# KiCad board Marble.kicad_pcb (continued)
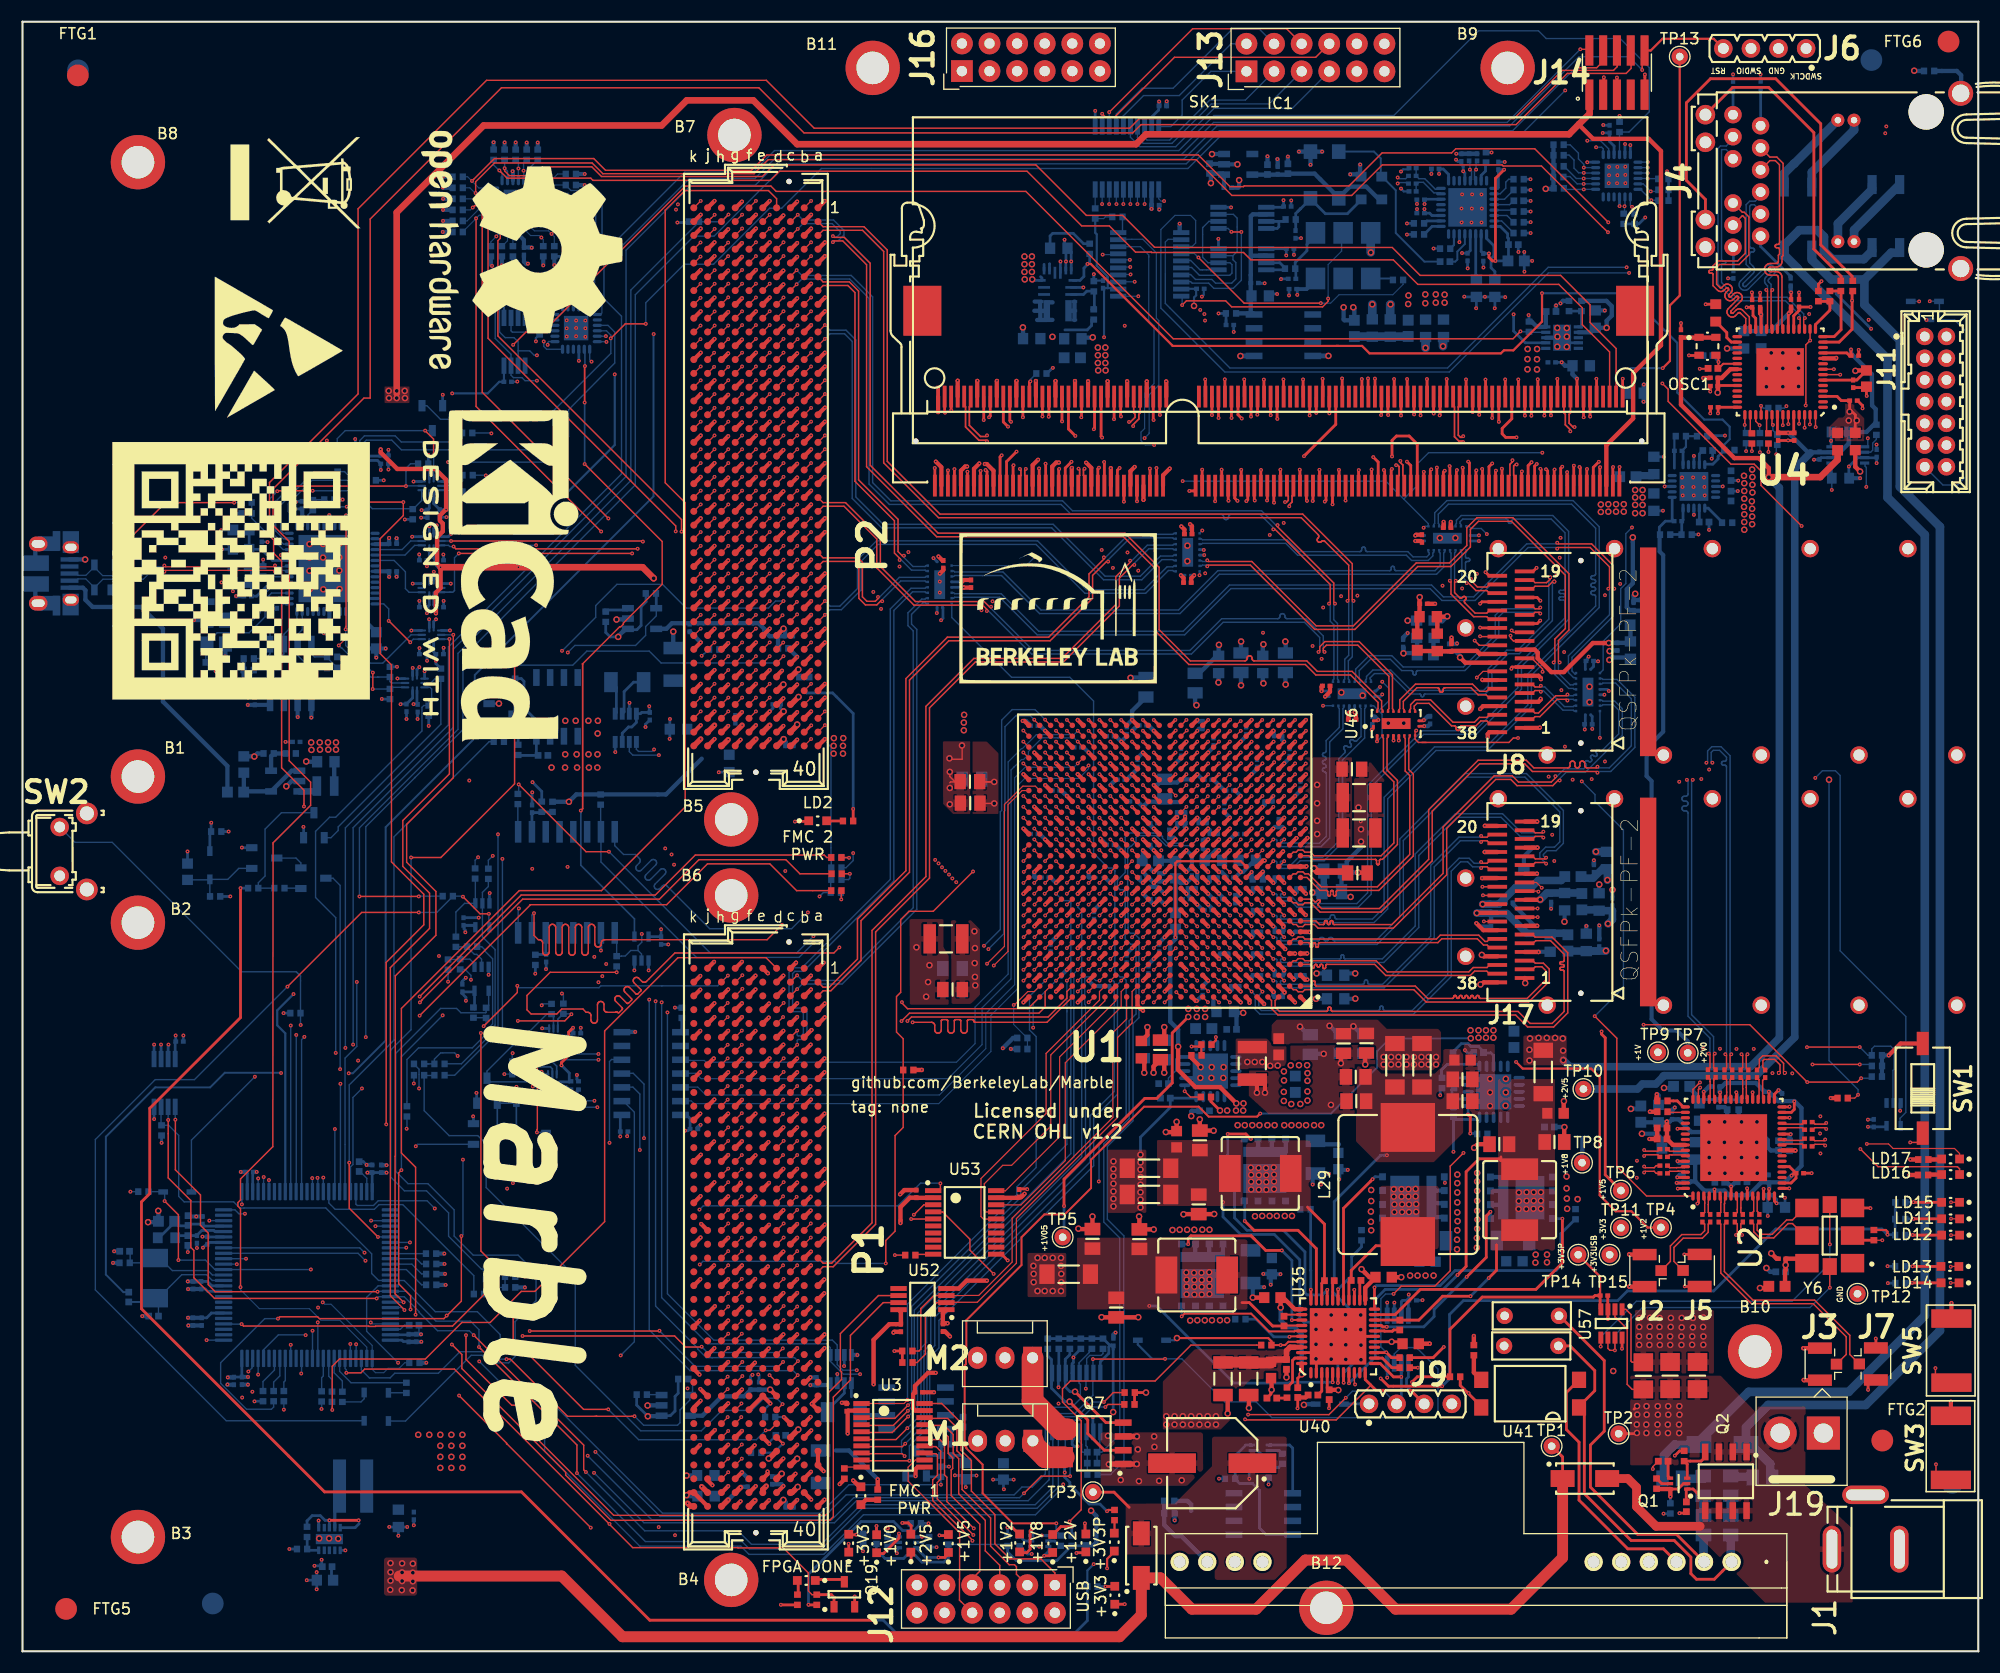
[diagram p0: board, top side]
## Routing (per net, layer and track width the routed paths; a pad name or vN(x,y) marks a point on that pad's centre or on a via; arc(x,y) is an arc through that point) (continued)
/SDRAM/DDR3_A8: length 39
  Top w0.254: 105.6,85.23 v1(106.1,85.73) ; SK1.89 112.77,106 v1(112.63,105.87)
  In4.Cu w0.135: v1(106.1,85.73) 106.1,94.18 112.24,100.32 112.24,103.95 114.04,105.76 114.04,107.55 115.78,109.29 115.78,110.53 115.02,111.29 114.11,111.29 113.24,110.43 113.24,107.39 112.63,106.78 v1(112.63,105.87)
/SDRAM/DDR3_A9: length 39.6
  Top w0.254: 105.6,84.23 106.1,84.73 ; v1(111.82,105.9) 111.57,106.15 SK1.85
  In4.Cu w0.135: v1(106.13,84.76) 105.76,85.13 105.76,94.42 111.29,99.95 111.29,105.39 111.34,105.44 111.34,108.69 110.23,109.79 110.23,110.54 111.33,111.64 112.11,111.64 112.71,111.04 112.71,108.03 111.82,107.14 v1(111.82,105.9)
/SDRAM/DDR3_A10: length 39
  Top w0.254: 108.61,84.23 v1(109.11,84.73) ; v1(118.22,105.9) 118.17,105.95 SK1.107
  In4.Cu w0.135: v1(118.22,105.9) 118.22,109.12 118.4,109.3 118.4,111.09 118.09,111.39 117.62,111.39 117.2,110.97 117.2,108.6 117.33,108.48 117.33,102.83 112.04,97.54 112.04,95.72 110.04,93.73 110.03,93.73 108.78,92.47 108.78,84.82 108.86,84.73 v1(109.11,84.73)
/SDRAM/DDR3_A11: length 39
  Top w0.254: U1.AD11 v1(108.12,83.73) ; v1(111.27,113.53) 111.27,113.54 SK1.84
  In2.Cu w0.135: v1(108.12,83.73) 107.77,84.08 107.77,86.67 107.58,86.86 107.58,87.31 108,87.73 108,97.59 111.45,101.04 111.45,109.9 111.44,109.97 111.42,110.03 111.38,110.09 111.34,110.13 111.28,110.17 111.22,110.19 111.15,110.2 110.81,110.2 110.74,110.21 110.68,110.23 110.62,110.26 110.57,110.31 110.54,110.37 110.51,110.43 110.51,110.5 110.51,110.57 110.54,110.63 110.57,110.69 110.62,110.73 110.68,110.77 110.74,110.79 110.81,110.8 112.09,110.8 112.16,110.81 112.22,110.83 112.28,110.86 112.33,110.91 112.36,110.97 112.39,111.03 112.39,111.1 112.39,111.17 112.36,111.23 112.33,111.29 112.28,111.33 112.22,111.37 112.16,111.39 112.09,111.4 110.81,111.4 110.74,111.41 110.68,111.43 110.62,111.46 110.57,111.51 110.54,111.57 110.51,111.63 110.51,111.7 110.51,111.77 110.54,111.83 110.57,111.89 110.62,111.93 110.68,111.97 110.74,111.99 110.81,112 111.15,112 111.22,112.01 111.28,112.03 111.34,112.06 111.38,112.11 111.42,112.17 111.44,112.23 111.45,112.3 111.45,113.35 v1(111.27,113.53)
/SDRAM/DDR3_A12: length 39
  Top w0.254: U1.AA12 v1(107.12,80.73) ; v1(111,105.91) 110.97,105.94 SK1.83
  In2.Cu w0.135: v1(111,105.91) 111,104.89 110.79,104.69 110.74,104.65 110.68,104.62 110.61,104.6 110.55,104.6 110.48,104.62 110.42,104.65 110.37,104.69 110.23,104.83 110.17,104.87 110.11,104.9 110.05,104.92 109.98,104.92 109.92,104.9 109.85,104.87 109.8,104.83 109.76,104.78 109.73,104.72 109.72,104.65 109.72,104.58 109.73,104.52 109.76,104.46 109.8,104.41 110.62,103.59 110.66,103.54 110.69,103.48 110.7,103.41 110.7,103.35 110.69,103.28 110.66,103.22 110.62,103.17 110.56,103.13 110.5,103.1 110.44,103.08 110.37,103.08 110.3,103.1 110.24,103.13 110.19,103.17 109.38,103.98 109.33,104.02 109.26,104.05 109.2,104.07 109.13,104.07 109.07,104.05 109.01,104.02 108.95,103.98 108.91,103.93 108.88,103.87 108.87,103.8 108.87,103.74 108.88,103.67 108.91,103.61 108.95,103.56 109.77,102.74 109.81,102.69 109.84,102.63 109.85,102.57 109.85,102.5 109.84,102.43 109.81,102.37 109.77,102.32 109.71,102.28 109.65,102.25 109.59,102.23 109.52,102.23 109.46,102.25 109.39,102.28 109.34,102.32 109.09,102.57 109.04,102.61 108.98,102.64 108.92,102.65 108.85,102.65 108.78,102.64 108.72,102.61 108.67,102.57 108.01,101.91 108.01,100.07 107.49,99.54 107.49,98.24 107.49,98.23 107.49,98.21 107.48,98.19 107.47,98.17 107.46,98.16 107.44,98.15 107.42,98.14 107.38,98.13 107.36,98.13 107.34,98.12 107.32,98.1 107.31,98.08 107.3,98.06 107.3,98.04 107.3,97.63 107.3,97.61 107.31,97.59 107.32,97.57 107.34,97.56 107.36,97.55 107.38,97.54 107.4,97.54 107.49,97.54 107.49,97.53 107.62,97.53 107.64,97.53 107.67,97.52 107.69,97.51 107.71,97.49 107.73,97.46 107.73,97.44 107.74,97.41 107.74,97.06 107.73,97.03 107.73,97 107.71,96.98 107.69,96.96 107.67,96.95 107.64,96.94 107.62,96.93 107.4,96.93 107.38,96.93 107.36,96.92 107.34,96.91 107.32,96.9 107.31,96.88 107.3,96.86 107.3,96.84 107.3,96.43 107.3,96.41 107.31,96.39 107.32,96.37 107.34,96.35 107.36,96.34 107.38,96.34 107.4,96.33 107.62,96.33 107.64,96.33 107.67,96.32 107.69,96.31 107.71,96.29 107.73,96.26 107.73,96.24 107.74,96.21 107.74,95.86 107.73,95.83 107.73,95.8 107.71,95.78 107.69,95.76 107.67,95.75 107.64,95.74 107.62,95.73 107.4,95.73 107.38,95.73 107.36,95.72 107.34,95.71 107.32,95.7 107.31,95.68 107.3,95.66 107.3,95.64 107.3,95.23 107.3,95.21 107.31,95.19 107.32,95.17 107.34,95.15 107.36,95.14 107.38,95.14 107.4,95.13 107.62,95.13 107.64,95.13 107.67,95.12 107.69,95.11 107.71,95.09 107.73,95.06 107.73,95.04 107.74,95.01 107.74,94.66 107.73,94.63 107.73,94.6 107.71,94.58 107.69,94.56 107.67,94.55 107.64,94.54 107.62,94.53 107.4,94.53 107.38,94.53 107.36,94.52 107.34,94.51 107.32,94.5 107.31,94.48 107.3,94.46 107.3,94.44 107.3,94.03 107.3,94.01 107.31,93.99 107.32,93.97 107.34,93.95 107.36,93.94 107.38,93.94 107.4,93.93 107.62,93.93 107.64,93.93 107.67,93.92 107.69,93.91 107.71,93.89 107.73,93.86 107.73,93.84 107.74,93.81 107.74,93.46 107.73,93.43 107.73,93.4 107.71,93.38 107.69,93.36 107.67,93.35 107.64,93.34 107.62,93.33 107.4,93.33 107.38,93.33 107.36,93.32 107.34,93.31 107.32,93.3 107.31,93.28 107.3,93.26 107.3,93.24 107.3,92.83 107.3,92.81 107.31,92.79 107.32,92.77 107.34,92.75 107.36,92.74 107.38,92.74 107.4,92.73 107.62,92.73 107.64,92.73 107.67,92.72 107.69,92.71 107.71,92.69 107.73,92.66 107.73,92.64 107.74,92.61 107.74,92.26 107.73,92.23 107.73,92.2 107.71,92.18 107.69,92.16 107.67,92.15 107.64,92.14 107.62,92.13 107.4,92.13 107.38,92.13 107.36,92.12 107.34,92.11 107.32,92.1 107.31,92.08 107.3,92.06 107.3,92.04 107.3,91.63 107.3,91.61 107.31,91.59 107.32,91.57 107.34,91.55 107.36,91.54 107.38,91.54 107.4,91.53 107.62,91.53 107.64,91.53 107.67,91.52 107.69,91.51 107.71,91.49 107.73,91.46 107.73,91.44 107.74,91.41 107.74,91.06 107.73,91.03 107.73,91 107.71,90.98 107.69,90.96 107.67,90.95 107.64,90.94 107.62,90.93 107.4,90.93 107.38,90.93 107.36,90.92 107.34,90.91 107.32,90.9 107.31,90.88 107.3,90.86 107.3,90.84 107.3,90.43 107.3,90.41 107.31,90.39 107.32,90.37 107.34,90.35 107.36,90.34 107.38,90.34 107.42,90.33 107.44,90.32 107.46,90.31 107.47,90.3 107.48,90.28 107.49,90.26 107.49,90.24 107.49,87.56 107.34,87.41 107.34,86.64 107.49,86.48 107.49,81.1 v1(107.12,80.73)
/SDRAM/DDR3_A13: length 38.9
  Top w0.254: 110.63,84.21 v1(111.13,84.71) ; SK1.119 v1(121.77,105.92)
  In7.Cu w0.135: v1(111.13,84.71) 111.13,85.17 111.67,85.7 111.67,87.06 112.99,88.38 113,96.68 121.02,104.69 121.02,107.86 121.69,108.54 121.69,110 122.4,110.71 122.84,110.71 123.44,110.11 123.44,107.6 v1(121.77,105.92)
/SDRAM/DDR3_A14: length 39.1
  Top w0.254: U1.AB12 v1(107.12,81.73) ; SK1.80 110.07,113.54 v1(110.08,113.53)
  In2.Cu w0.135: v1(107.12,81.73) 106.74,82.11 106.74,85.86 107.03,86.15 107.03,99.83 106.74,100.12 106.74,102.17 110.11,105.53 110.11,108.51 109.91,108.71 109.91,109.49 109.91,109.54 109.93,109.59 109.95,109.63 109.99,109.67 110.03,109.69 110.08,109.71 110.13,109.72 110.25,109.72 110.3,109.72 110.34,109.74 110.39,109.76 110.42,109.8 110.45,109.84 110.47,109.89 110.47,109.94 110.47,109.99 110.45,110.04 110.42,110.08 110.39,110.12 110.34,110.14 110.3,110.16 110.25,110.17 109.82,110.17 109.8,110.17 109.79,110.17 109.77,110.18 109.76,110.2 109.75,110.21 109.74,110.23 109.74,110.25 109.74,110.53 109.74,110.55 109.75,110.57 109.76,110.58 109.77,110.6 109.79,110.61 109.8,110.61 109.82,110.62 110.09,110.62 110.13,110.62 110.17,110.63 110.2,110.66 110.23,110.68 110.25,110.72 110.27,110.76 110.27,110.8 110.27,110.88 110.27,110.92 110.25,110.96 110.23,111 110.2,111.03 110.17,111.05 110.13,111.06 110.09,111.07 109.82,111.07 109.8,111.07 109.79,111.07 109.77,111.08 109.76,111.1 109.75,111.11 109.74,111.13 109.74,111.15 109.74,111.43 109.74,111.45 109.75,111.47 109.76,111.48 109.77,111.5 109.79,111.51 109.8,111.51 109.82,111.52 110.06,111.52 110.1,111.52 110.13,111.53 110.16,111.55 110.19,111.57 110.21,111.6 110.22,111.64 110.22,111.67 110.22,111.81 110.22,111.84 110.21,111.88 110.19,111.91 110.16,111.93 110.13,111.95 110.1,111.96 110.06,111.97 109.91,111.97 109.91,111.98 109.82,111.98 109.8,111.98 109.79,111.99 109.77,112 109.76,112.01 109.75,112.03 109.74,112.05 109.74,112.07 109.74,112.35 109.74,112.37 109.75,112.39 109.76,112.4 109.77,112.41 109.79,112.42 109.8,112.43 109.84,112.43 109.86,112.44 109.87,112.45 109.89,112.46 109.9,112.48 109.9,112.5 109.91,112.52 109.91,113.35 v1(110.08,113.53)
/SDRAM/DDR3_A15: length 39
  Top w0.254: U1.AD13 v1(106.12,83.73) ; SK1.78 109.47,113.8 v1(109.47,113.8)
  In2.Cu w0.135: v1(109.47,113.8) 109.47,113.55 109.42,113.5 109.42,112.71 109.41,112.65 109.39,112.58 109.35,112.53 109.31,112.48 109.25,112.44 109.19,112.42 109.12,112.41 108.81,112.41 108.74,112.41 108.68,112.38 108.62,112.35 108.58,112.3 108.54,112.24 108.52,112.18 108.51,112.11 108.52,112.05 108.54,111.98 108.58,111.93 108.62,111.88 108.68,111.84 108.74,111.82 108.81,111.81 109.12,111.81 109.19,111.81 109.25,111.78 109.31,111.75 109.35,111.7 109.39,111.64 109.41,111.58 109.42,111.51 109.41,111.45 109.39,111.38 109.35,111.33 109.31,111.28 109.25,111.24 109.19,111.22 109.12,111.21 108.81,111.21 108.74,111.21 108.68,111.18 108.62,111.15 108.58,111.1 108.54,111.04 108.52,110.98 108.51,110.91 108.52,110.85 108.54,110.78 108.58,110.73 108.62,110.68 108.68,110.64 108.74,110.62 108.81,110.61 109.12,110.61 109.19,110.61 109.25,110.58 109.31,110.55 109.35,110.5 109.39,110.44 109.41,110.38 109.42,110.31 109.41,110.25 109.39,110.18 109.35,110.13 109.31,110.08 109.25,110.04 109.19,110.02 109.12,110.01 108.81,110.01 108.74,110.01 108.68,109.98 108.62,109.95 108.58,109.9 108.54,109.84 108.52,109.78 108.51,109.71 108.52,109.65 108.54,109.58 108.58,109.53 108.62,109.48 108.68,109.44 108.74,109.42 108.81,109.41 109.5,109.41 109.52,109.41 109.53,109.41 109.55,109.4 109.56,109.38 109.57,109.37 109.58,109.35 109.58,109.34 109.58,108.89 109.58,108.88 109.57,108.86 109.56,108.84 109.55,108.83 109.53,108.82 109.52,108.82 109.5,108.81 109.17,108.81 109.11,108.81 109.06,108.79 109.01,108.76 108.97,108.72 108.94,108.67 108.92,108.62 108.91,108.56 108.91,108.47 108.92,108.41 108.94,108.36 108.97,108.31 109.01,108.27 109.06,108.24 109.11,108.22 109.22,108.21 109.28,108.19 109.32,108.16 109.36,108.12 109.39,108.07 109.41,108.02 109.42,107.96 109.42,107.08 106.21,103.86 106.21,98.68 106.48,98.41 106.48,84.09 v1(106.12,83.73)
/SDRAM/DDR3_BA0: length 39.1
  Top w0.254: SK1.109 118.77,105.91 v1(118.74,105.88) ; U1.AF10 v1(109.12,85.73)
  In4.Cu w0.135: v1(118.74,105.88) 118.74,111.18 119.09,111.52 119.64,111.52 120.22,110.95 120.22,109.09 119.3,108.18 119.3,104.07 112.54,97.31 112.54,95.34 110.63,93.42 110.63,92.46 109.12,90.95 v1(109.12,85.73)
/SDRAM/DDR3_BA1: length 39.1
  Top w0.254: U1.AD8 v1(111.12,83.73) ; v1(118.46,113.77) 118.47,113.77 SK1.108
  In2.Cu w0.135: v1(118.46,113.77) 118.93,113.3 118.93,112.75 118.94,112.71 118.95,112.66 118.98,112.62 119.01,112.59 119.05,112.56 119.1,112.55 119.19,112.54 119.23,112.52 119.27,112.5 119.31,112.46 119.33,112.42 119.35,112.38 119.35,112.33 119.35,112.15 119.35,112.11 119.33,112.06 119.31,112.02 119.27,111.99 119.23,111.96 119.19,111.95 119.14,111.94 118.93,111.94 118.93,111.9 118.36,111.9 118.3,111.9 118.23,111.87 118.17,111.84 118.13,111.79 118.09,111.73 118.07,111.67 118.06,111.6 118.07,111.54 118.09,111.47 118.13,111.42 118.17,111.37 118.23,111.33 118.3,111.31 118.36,111.3 118.63,111.3 118.7,111.3 118.76,111.27 118.82,111.24 118.87,111.19 118.9,111.13 118.93,111.07 118.93,111 118.93,110.94 118.9,110.87 118.87,110.82 118.82,110.77 118.76,110.73 118.7,110.71 118.63,110.7 118.56,110.7 118.5,110.7 118.43,110.67 118.37,110.64 118.33,110.59 118.29,110.53 118.27,110.47 118.26,110.4 118.27,110.34 118.29,110.27 118.33,110.22 118.37,110.17 118.43,110.13 118.5,110.11 118.56,110.1 118.63,110.1 118.7,110.1 118.76,110.07 118.82,110.04 118.87,109.99 118.9,109.93 118.93,109.87 118.93,109.8 118.93,106.22 119.09,106.06 119.09,102.56 111.5,94.97 111.5,88.8 110.79,88.09 110.79,84.06 v1(111.12,83.73)
/SDRAM/DDR3_BA2: length 39
  Top w0.254: U1.AC13 v1(106.12,82.73) ; v1(109.76,105.86) 109.77,105.86 SK1.79
  In4.Cu w0.135: v1(109.76,105.86) 109.76,107.7 109.95,107.89 110.36,107.89 110.5,107.75 110.5,99.91 109.68,99.09 109.66,99.07 109.65,99.05 109.64,99.02 109.64,98.99 109.65,98.97 109.66,98.94 109.7,98.9 109.71,98.88 109.71,98.85 109.71,98.82 109.71,98.8 109.7,98.77 109.68,98.75 109.42,98.5 109.4,98.48 109.38,98.47 109.35,98.46 109.33,98.46 109.3,98.47 109.28,98.48 109.25,98.5 109.13,98.62 109.12,98.63 109.11,98.63 109.1,98.63 109.09,98.63 109.08,98.63 109.07,98.63 109.06,98.62 108.71,98.27 108.7,98.26 108.7,98.25 108.7,98.24 108.7,98.22 108.7,98.21 108.7,98.2 108.71,98.19 108.83,98.07 108.85,98.05 108.86,98.03 108.86,98 108.86,97.98 108.86,97.95 108.85,97.92 108.83,97.9 108.58,97.65 108.55,97.63 108.53,97.62 108.5,97.62 108.48,97.62 108.45,97.62 108.43,97.63 108.41,97.65 107.87,98.19 107.82,98.23 107.75,98.26 107.69,98.27 107.62,98.27 107.56,98.26 107.5,98.23 107.44,98.19 107.4,98.14 107.37,98.07 107.36,98.01 107.36,97.94 107.37,97.88 107.4,97.82 107.44,97.76 107.98,97.23 108,97.2 108.01,97.18 108.02,97.15 108.02,97.13 108.01,97.1 108,97.08 107.98,97.06 107.73,96.8 107.71,96.78 107.68,96.77 107.66,96.77 107.63,96.77 107.6,96.77 107.58,96.78 107.56,96.8 107.02,97.34 106.97,97.38 106.91,97.41 106.84,97.43 106.77,97.43 106.71,97.41 106.65,97.38 106.59,97.34 106.55,97.29 106.52,97.23 106.51,97.16 106.51,97.09 106.52,97.03 106.55,96.97 106.59,96.91 107.13,96.38 107.15,96.36 107.16,96.33 107.17,96.31 107.17,96.28 107.16,96.25 107.15,96.23 107.13,96.21 106.88,95.95 106.86,95.94 106.83,95.92 106.81,95.92 106.78,95.92 106.75,95.92 106.73,95.94 106.71,95.95 106.21,96.46 106.15,96.5 106.09,96.53 106.03,96.54 105.96,96.54 105.89,96.53 105.83,96.5 105.78,96.46 105.74,96.4 105.71,96.34 105.7,96.28 105.7,96.21 105.71,96.14 105.74,96.08 105.78,96.03 106.2,95.61 106.2,95.61 106.28,95.53 106.3,95.5 106.31,95.48 106.32,95.45 106.32,95.43 106.31,95.4 106.3,95.38 106.28,95.35 106.03,95.1 106.01,95.08 105.98,95.07 105.96,95.07 105.93,95.07 105.9,95.07 105.88,95.08 105.84,95.12 105.81,95.13 105.79,95.14 105.76,95.14 105.73,95.13 105.71,95.12 105.69,95.1 105.34,94.76 105.34,84 106.12,83.22 v1(106.12,82.73)
/SDRAM/DDR3_DM0: length 47.7
  Top w0.254: SK1.11 86.97,108.57 v1(86.97,108.58) ; U1.AF17 v1(101.12,85.73)
  In7.Cu w0.135: v1(86.97,108.58) 87.56,108.58 89.33,106.81 89.35,106.78 89.37,106.74 89.38,106.71 89.38,106.67 89.37,106.63 89.35,106.59 89.3,106.53 89.29,106.5 89.28,106.46 89.28,106.42 89.29,106.38 89.3,106.35 89.33,106.32 89.51,106.14 89.54,106.11 89.57,106.1 89.61,106.09 89.65,106.09 89.69,106.1 89.72,106.11 89.75,106.14 90,106.39 90.03,106.41 90.07,106.43 90.1,106.44 90.14,106.44 90.18,106.43 90.22,106.41 90.25,106.39 90.43,106.21 90.45,106.18 90.47,106.14 90.48,106.1 90.48,106.07 90.47,106.03 90.45,105.99 90.43,105.96 90.18,105.71 90.15,105.68 90.14,105.65 90.13,105.61 90.13,105.57 90.14,105.53 90.15,105.5 90.18,105.47 90.35,105.29 90.38,105.27 90.42,105.25 90.46,105.24 90.5,105.24 90.54,105.25 90.57,105.27 90.6,105.29 90.85,105.54 90.88,105.56 90.92,105.58 90.95,105.59 90.99,105.59 91.03,105.58 91.07,105.56 91.1,105.54 91.27,105.36 91.3,105.33 91.31,105.29 91.32,105.26 91.32,105.22 91.31,105.18 91.3,105.14 91.27,105.11 91.03,104.87 91,104.83 90.98,104.8 90.98,104.76 90.98,104.72 90.98,104.68 91,104.65 91.03,104.62 91.2,104.44 91.23,104.42 91.27,104.4 91.31,104.39 91.35,104.39 91.38,104.4 91.42,104.42 91.45,104.44 91.7,104.69 91.73,104.71 91.76,104.73 91.8,104.74 91.84,104.74 91.88,104.73 91.91,104.71 91.95,104.69 92.12,104.51 92.15,104.48 92.16,104.45 92.17,104.41 92.17,104.37 92.16,104.33 92.15,104.3 92.12,104.26 91.87,104.02 91.85,103.99 91.83,103.95 91.82,103.91 91.82,103.87 91.83,103.84 91.85,103.8 91.87,103.77 92.05,103.59 92.08,103.57 92.12,103.55 92.16,103.54 92.19,103.54 92.23,103.55 92.27,103.57 92.3,103.59 92.55,103.84 92.58,103.86 92.61,103.88 92.65,103.89 92.69,103.89 92.73,103.88 92.76,103.86 92.79,103.84 92.97,103.66 93,103.63 93.01,103.6 93.02,103.56 93.02,103.52 93.01,103.48 93,103.45 92.97,103.42 92.72,103.17 92.7,103.14 92.68,103.1 92.67,103.06 92.67,103.03 92.68,102.99 92.7,102.95 92.72,102.92 92.9,102.74 92.93,102.72 92.97,102.7 93,102.69 93.04,102.69 93.08,102.7 93.12,102.72 93.15,102.74 93.39,102.99 93.43,103.02 93.46,103.03 93.5,103.04 93.54,103.04 93.58,103.03 93.61,103.02 93.64,102.99 93.82,102.82 93.84,102.78 93.86,102.75 93.87,102.71 93.87,102.67 93.86,102.63 93.84,102.6 93.82,102.57 93.57,102.32 93.55,102.29 93.53,102.25 93.52,102.22 93.52,102.18 93.53,102.14 93.55,102.1 93.57,102.07 93.75,101.9 93.78,101.87 93.81,101.85 93.85,101.85 93.89,101.85 93.93,101.85 93.97,101.87 94,101.9 94.24,102.14 94.27,102.17 94.31,102.18 94.35,102.19 94.39,102.19 94.42,102.18 94.46,102.17 94.49,102.14 94.67,101.97 94.69,101.94 94.71,101.9 94.72,101.86 94.72,101.82 94.71,101.78 94.69,101.75 94.67,101.72 94.42,101.47 94.4,101.44 94.38,101.41 94.37,101.37 94.37,101.33 94.38,101.29 94.4,101.25 94.42,101.22 94.6,101.05 94.63,101.02 94.66,101.01 94.7,101 94.74,101 94.78,101.01 94.81,101.02 94.84,101.05 95.09,101.29 95.12,101.32 95.16,101.34 95.2,101.34 95.24,101.34 95.27,101.34 95.31,101.32 95.34,101.29 95.52,101.12 95.54,101.09 95.56,101.05 95.57,101.01 95.57,100.97 95.56,100.94 95.54,100.9 95.52,100.87 95.27,100.62 95.24,100.59 95.23,100.56 95.22,100.52 95.22,100.48 95.23,100.44 95.24,100.41 95.27,100.38 95.45,100.2 95.48,100.17 95.51,100.16 95.55,100.15 95.59,100.15 95.63,100.16 95.66,100.17 95.69,100.2 95.94,100.45 95.97,100.47 96.01,100.49 96.04,100.5 96.08,100.5 96.12,100.49 96.16,100.47 96.19,100.45 96.36,100.27 96.39,100.24 96.41,100.2 96.41,100.17 96.41,100.13 96.41,100.09 96.39,100.05 96.36,100.02 96.12,99.77 96.09,99.74 96.08,99.71 96.07,99.67 96.07,99.63 96.08,99.59 96.09,99.56 96.12,99.53 96.29,99.35 96.32,99.33 96.36,99.31 96.4,99.3 96.44,99.3 96.48,99.31 96.51,99.33 96.54,99.35 96.79,99.6 96.82,99.62 96.85,99.64 96.89,99.65 96.93,99.65 96.97,99.64 97.01,99.62 97.04,99.6 97.21,99.42 97.24,99.39 97.25,99.35 97.26,99.32 97.26,99.28 97.25,99.24 97.24,99.2 97.21,99.17 96.97,98.93 96.94,98.9 96.92,98.86 96.92,98.82 96.92,98.78 96.92,98.74 96.94,98.71 96.97,98.68 97.14,98.5 97.17,98.48 97.21,98.46 97.25,98.45 97.29,98.45 97.32,98.46 97.36,98.48 97.39,98.5 97.64,98.75 97.67,98.77 97.7,98.79 97.74,98.8 97.78,98.8 97.82,98.79 97.85,98.77 97.88,98.75 98.06,98.57 98.09,98.54 98.1,98.51 98.11,98.47 98.11,98.43 98.1,98.39 98.09,98.36 98.06,98.32 97.81,98.08 97.79,98.05 97.77,98.01 97.76,97.97 97.76,97.93 97.77,97.9 97.79,97.86 97.81,97.83 97.99,97.65 98.02,97.63 98.06,97.61 98.1,97.6 98.13,97.6 98.17,97.61 98.21,97.63 98.24,97.65 98.49,97.9 98.52,97.93 98.55,97.94 98.59,97.95 98.63,97.95 98.67,97.94 98.7,97.93 98.73,97.9 98.91,97.72 98.93,97.69 98.95,97.66 98.96,97.62 98.96,97.58 98.95,97.54 98.93,97.51 98.91,97.48 98.66,97.23 98.64,97.2 98.62,97.16 98.61,97.12 98.61,97.09 98.62,97.05 98.64,97.01 98.66,96.98 98.84,96.8 98.87,96.78 98.91,96.76 98.94,96.75 98.98,96.75 99.02,96.76 99.06,96.78 99.09,96.8 99.33,97.05 99.37,97.08 99.4,97.09 99.44,97.1 99.48,97.1 99.52,97.09 99.55,97.08 99.58,97.05 99.76,96.88 99.78,96.84 99.8,96.81 99.81,96.77 99.81,96.73 99.8,96.69 99.78,96.66 99.76,96.63 99.51,96.38 99.49,96.35 99.47,96.31 99.46,96.28 99.46,96.24 99.47,96.2 99.49,96.16 99.51,96.13 99.69,95.96 99.72,95.93 99.75,95.91 99.79,95.91 99.83,95.91 99.87,95.91 99.9,95.93 99.94,95.96 100.18,96.2 100.21,96.23 100.25,96.25 100.29,96.25 100.33,96.25 100.36,96.25 100.4,96.23 100.43,96.2 100.61,96.03 100.63,96 100.65,95.96 100.66,95.92 100.66,95.88 100.65,95.85 100.63,95.81 100.58,95.75 100.57,95.71 100.56,95.68 100.56,95.64 100.57,95.6 100.58,95.56 100.61,95.53 101.12,95.02 101.12,94.97 101.12,94.93 101.1,94.89 101.08,94.86 101.05,94.83 101.02,94.81 100.98,94.8 100.91,94.79 100.87,94.78 100.84,94.76 100.81,94.73 100.79,94.7 100.77,94.66 100.77,94.62 100.77,94.37 100.77,94.33 100.79,94.29 100.81,94.26 100.84,94.23 100.87,94.21 100.91,94.2 100.94,94.19 101.25,94.19 101.27,94.19 101.3,94.18 101.32,94.17 101.34,94.15 101.36,94.12 101.37,94.1 101.37,94.07 101.37,93.72 101.37,93.69 101.36,93.66 101.34,93.64 101.32,93.62 101.3,93.61 101.27,93.6 101.25,93.59 100.94,93.59 100.91,93.59 100.87,93.58 100.84,93.56 100.81,93.53 100.79,93.5 100.77,93.46 100.77,93.42 100.77,93.17 100.77,93.13 100.79,93.09 100.81,93.06 100.84,93.03 100.87,93.01 100.91,93 100.94,92.99 101.25,92.99 101.27,92.99 101.3,92.98 101.32,92.97 101.34,92.95 101.36,92.92 101.37,92.9 101.37,92.87 101.37,92.52 101.37,92.49 101.36,92.46 101.34,92.44 101.32,92.42 101.3,92.41 101.27,92.4 101.25,92.39 101,92.39 100.97,92.39 100.94,92.38 100.92,92.37 100.9,92.35 100.88,92.32 100.87,92.3 100.87,92.27 100.87,91.92 100.87,91.89 100.88,91.86 100.9,91.84 100.92,91.82 100.94,91.81 100.97,91.8 101,91.79 101.25,91.79 101.27,91.79 101.3,91.78 101.32,91.77 101.34,91.75 101.36,91.72 101.37,91.7 101.37,91.67 101.37,91.32 101.37,91.29 101.36,91.26 101.34,91.24 101.32,91.22 101.3,91.21 101.27,91.2 101.22,91.19 101.19,91.18 101.17,91.17 101.15,91.15 101.13,91.12 101.12,91.1 101.12,91.07 v1(101.12,85.73)
/SDRAM/DDR3_DM1: length 44.3
  Top w0.254: SK1.28 92.07,113.6 v1(92.07,113.59) ; U1.W15 v1(103.12,78.73)
  In9.Cu w0.135: v1(92.07,113.59) 93.27,113.59 96.19,110.67 96.19,107.06 96.19,106.99 96.22,106.93 96.25,106.87 96.3,106.82 96.36,106.79 96.42,106.77 96.49,106.76 96.74,106.76 96.81,106.75 96.87,106.73 96.93,106.69 96.98,106.64 97.01,106.59 97.04,106.52 97.04,106.46 97.04,106.39 97.01,106.33 96.98,106.27 96.93,106.22 96.87,106.19 96.81,106.17 96.74,106.16 96.49,106.16 96.42,106.15 96.36,106.13 96.3,106.09 96.25,106.04 96.22,105.99 96.19,105.92 96.19,105.86 96.19,100.03 103.17,93.04 103.17,86.53 102.78,86.13 102.78,79.07 v1(103.12,78.73)
/SDRAM/DDR3_DM2: length 38.5
  Top w0.254: SK1.46 97.47,113.59 97.45,113.59 v1(97.44,113.59) ; U1.AC19 v1(99.12,82.73)
  In2.Cu w0.135: v1(99.12,82.73) 99.46,83.07 99.46,92.85 95.12,97.2 95.12,107.05 96.16,108.09 96.16,110.4 96.17,110.46 96.19,110.52 96.22,110.57 96.26,110.62 96.32,110.65 96.38,110.67 96.44,110.68 97.04,110.68 97.1,110.68 97.16,110.7 97.21,110.74 97.25,110.78 97.28,110.83 97.3,110.89 97.31,110.95 97.3,111.01 97.28,111.07 97.25,111.12 97.21,111.17 97.16,111.2 97.1,111.22 97.04,111.23 96.11,111.23 96.1,111.23 96.09,111.23 96.08,111.24 96.07,111.25 96.07,111.26 96.06,111.27 96.06,111.28 96.06,111.73 96.06,111.74 96.07,111.75 96.07,111.76 96.08,111.77 96.09,111.77 96.1,111.78 96.12,111.78 96.13,111.78 96.14,111.79 96.15,111.8 96.16,111.81 96.16,111.82 96.16,111.83 96.16,112.3 97.27,113.4 97.27,113.42 v1(97.44,113.59)
/SDRAM/DDR3_DM3: length 39
  Top w0.254: U1.AA15 v1(103.12,80.73) ; SK1.63 102.57,105.86 v1(102.58,105.86)
  In2.Cu w0.135: v1(103.12,80.73) 103.49,81.1 103.49,86.52 103.48,86.58 103.46,86.63 103.44,86.68 103.4,86.72 103.35,86.75 103.3,86.77 103.19,86.78 103.13,86.8 103.09,86.83 103.05,86.87 103.02,86.91 103,86.97 102.99,87.02 102.99,87.12 103,87.18 103.02,87.23 103.05,87.28 103.09,87.32 103.13,87.35 103.19,87.37 103.3,87.38 103.35,87.4 103.4,87.43 103.44,87.47 103.46,87.51 103.48,87.57 103.49,87.62 103.49,87.72 103.48,87.78 103.46,87.83 103.44,87.88 103.4,87.92 103.35,87.95 103.3,87.97 103.19,87.98 103.13,88 103.09,88.03 103.05,88.07 103.02,88.11 103,88.17 102.99,88.22 102.99,88.32 103,88.38 103.02,88.43 103.05,88.48 103.09,88.52 103.13,88.55 103.19,88.57 103.3,88.58 103.35,88.6 103.4,88.63 103.44,88.67 103.46,88.71 103.48,88.77 103.49,88.82 103.49,88.92 103.48,88.98 103.46,89.03 103.44,89.08 103.4,89.12 103.35,89.15 103.3,89.17 103.19,89.18 103.13,89.2 103.09,89.23 103.05,89.27 103.02,89.31 103,89.37 102.99,89.42 102.99,89.52 103,89.58 103.02,89.63 103.05,89.68 103.09,89.72 103.13,89.75 103.19,89.77 103.3,89.78 103.35,89.8 103.4,89.83 103.44,89.87 103.46,89.91 103.48,89.97 103.49,90.02 103.49,90.12 103.48,90.18 103.46,90.23 103.44,90.28 103.4,90.32 103.35,90.35 103.3,90.37 103.19,90.38 103.13,90.4 103.09,90.43 103.05,90.47 103.02,90.51 103,90.57 102.99,90.62 102.99,90.72 103,90.78 103.02,90.83 103.05,90.88 103.09,90.92 103.13,90.95 103.19,90.97 103.3,90.98 103.35,91 103.4,91.03 103.44,91.07 103.46,91.11 103.48,91.17 103.49,91.22 103.49,91.32 103.48,91.38 103.46,91.43 103.44,91.48 103.4,91.52 103.35,91.55 103.3,91.57 103.19,91.58 103.13,91.6 103.09,91.63 103.05,91.67 103.02,91.71 103,91.77 102.99,91.82 102.99,91.92 103,91.98 103.02,92.03 103.05,92.08 103.09,92.12 103.13,92.15 103.19,92.17 103.3,92.18 103.35,92.2 103.4,92.23 103.44,92.27 103.46,92.31 103.48,92.37 103.49,92.42 103.49,92.52 103.48,92.58 103.46,92.63 103.44,92.68 103.4,92.72 103.35,92.75 103.3,92.77 103.19,92.78 103.13,92.8 103.09,92.83 103.05,92.87 103.02,92.91 103,92.97 102.99,93.02 102.99,93.12 103,93.18 103.02,93.23 103.05,93.28 103.09,93.32 103.13,93.35 103.19,93.37 103.3,93.38 103.35,93.4 103.4,93.43 103.44,93.47 103.46,93.51 103.48,93.57 103.49,93.62 103.49,93.72 103.48,93.78 103.46,93.83 103.44,93.88 103.4,93.92 103.35,93.95 103.3,93.97 103.19,93.98 103.13,94 103.09,94.03 103.05,94.07 103.02,94.11 103,94.17 102.99,94.22 102.99,94.32 103,94.38 103.02,94.43 103.05,94.48 103.09,94.52 103.13,94.55 103.19,94.57 103.3,94.58 103.35,94.6 103.4,94.63 103.44,94.67 103.46,94.71 103.48,94.77 103.49,94.82 103.49,94.92 103.48,94.98 103.46,95.03 103.44,95.08 103.4,95.12 103.35,95.15 103.3,95.17 103.19,95.18 103.13,95.2 103.09,95.23 103.05,95.27 103.02,95.31 103,95.37 102.99,95.42 102.99,95.52 103,95.58 103.02,95.63 103.05,95.68 103.09,95.72 103.13,95.75 103.19,95.77 103.3,95.78 103.35,95.8 103.4,95.83 103.44,95.87 103.46,95.91 103.48,95.97 103.49,96.02 103.49,96.12 103.48,96.18 103.46,96.23 103.44,96.28 103.4,96.32 103.35,96.35 103.3,96.37 103.19,96.38 103.13,96.4 103.09,96.43 103.05,96.47 103.02,96.51 103,96.57 102.99,96.62 102.99,96.72 103,96.78 103.02,96.83 103.05,96.88 103.09,96.92 103.13,96.95 103.19,96.97 103.3,96.98 103.35,97 103.4,97.03 103.44,97.07 103.46,97.11 103.48,97.17 103.49,97.22 103.2,97.51 103.2,100.72 103.2,100.75 103.21,100.78 103.23,100.81 103.25,100.83 103.28,100.85 103.31,100.86 103.38,100.87 103.41,100.88 103.44,100.9 103.46,100.92 103.48,100.95 103.49,100.98 103.5,101.02 103.5,101.32 103.49,101.35 103.48,101.38 103.46,101.41 103.44,101.43 103.41,101.45 103.38,101.46 103.35,101.47 102.55,101.47 102.48,101.47 102.42,101.5 102.36,101.53 102.31,101.58 102.28,101.64 102.25,101.7 102.25,101.77 102.25,101.83 102.28,101.9 102.31,101.95 102.36,102 102.42,102.04 102.48,102.06 102.55,102.07 103.35,102.07 103.38,102.07 103.41,102.08 103.44,102.1 103.46,102.12 103.48,102.15 103.49,102.18 103.5,102.22 103.5,102.52 103.49,102.55 103.48,102.58 103.46,102.61 103.44,102.63 103.41,102.65 103.38,102.66 103.35,102.67 102.55,102.67 102.48,102.67 102.42,102.7 102.36,102.73 102.31,102.78 102.28,102.84 102.25,102.9 102.25,102.97 102.25,103.03 102.28,103.1 102.31,103.15 102.36,103.2 102.42,103.24 102.48,103.26 102.55,103.27 103.35,103.27 103.38,103.27 103.41,103.28 103.44,103.3 103.46,103.32 103.48,103.35 103.49,103.38 103.5,103.42 103.5,103.72 103.49,103.75 103.48,103.78 103.46,103.81 103.44,103.83 103.41,103.85 103.38,103.86 103.35,103.87 102.55,103.87 102.48,103.87 102.42,103.9 102.36,103.93 102.31,103.98 102.28,104.04 102.25,104.1 102.25,104.17 102.25,104.23 102.28,104.3 102.31,104.35 102.36,104.4 102.42,104.44 102.48,104.46 102.55,104.47 102.9,104.47 102.96,104.47 103.03,104.5 103.08,104.53 103.13,104.58 103.17,104.64 103.19,104.7 103.2,104.77 103.2,105.12 102.58,105.74 v1(102.58,105.86)